# KiCad board power-module-simple-panel.kicad_pcb
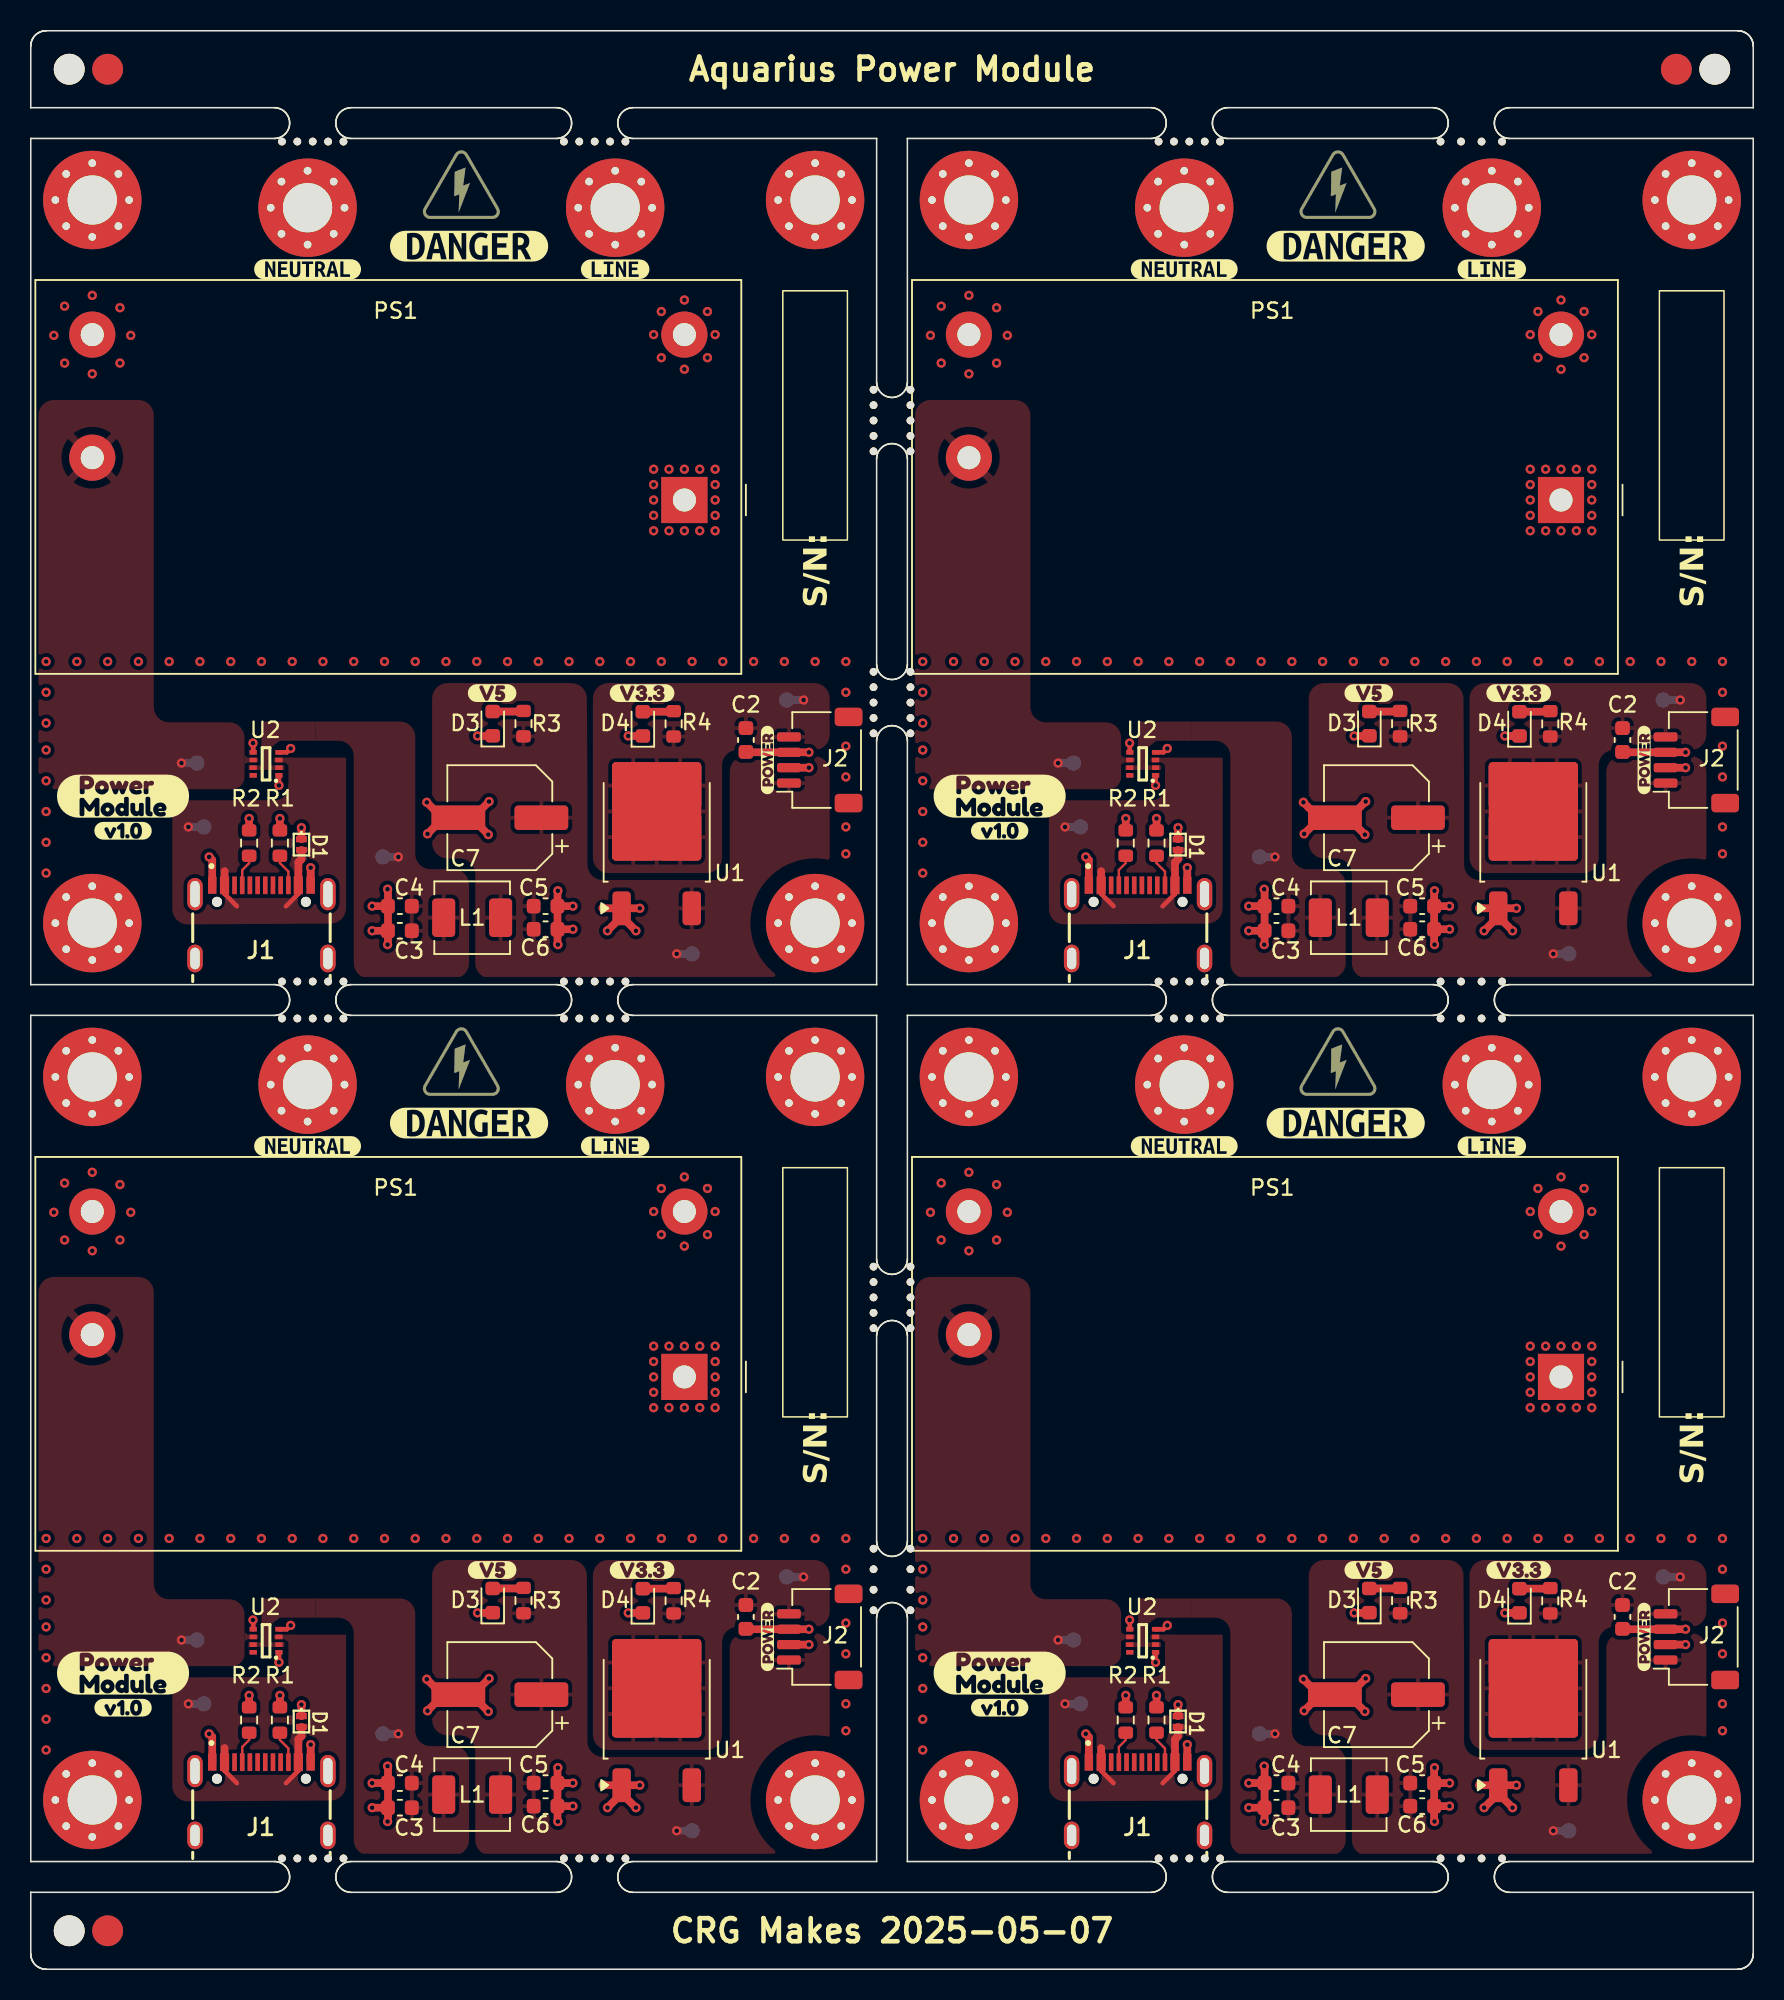
[diagram p0: board, top side]
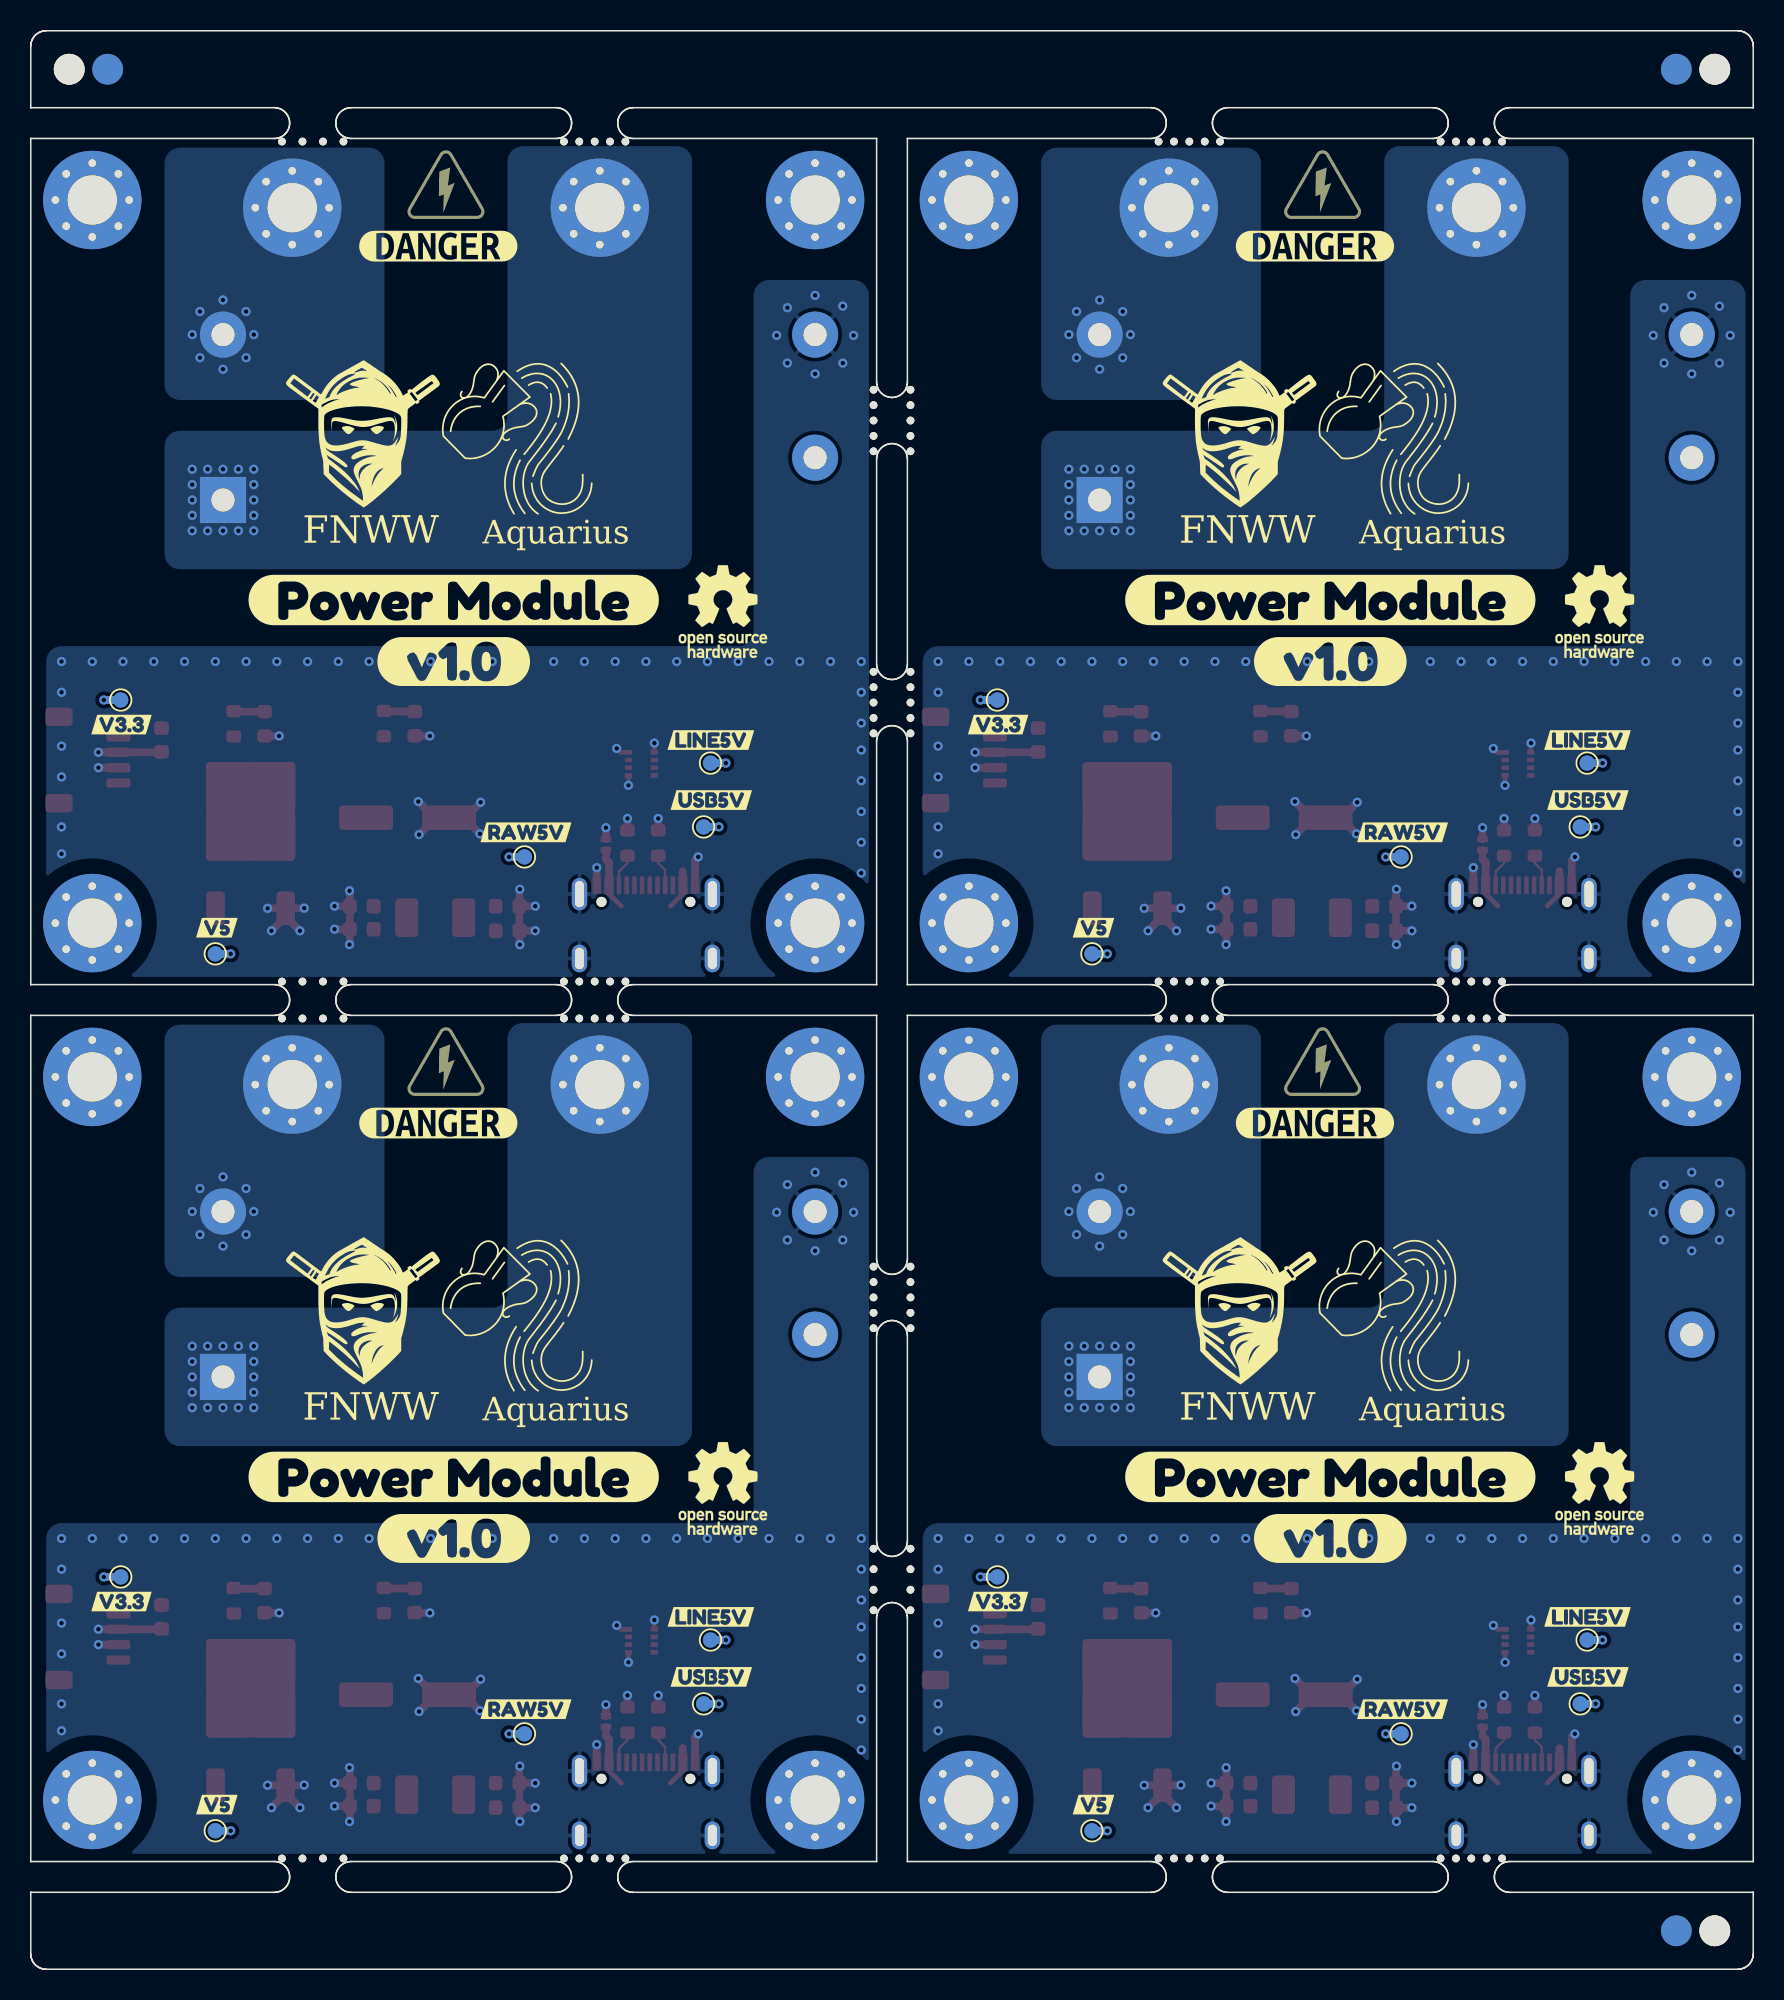
[diagram p1: board, bottom side, seen from below]

Outline 112 x 126 mm; copper layers: Top, In1.Cu, In2.Cu, Bottom. Coordinates in mm from the lower left corner of the outline.
Stack: Top 0.035mm / dielectric 0.1mm FR4 er 3.91 / In1.Cu 0.012mm / dielectric 1.24mm FR4 er 4.5 / In2.Cu 0.012mm / dielectric 0.1mm FR4 er 3.91 / Bottom 0.035mm

## Placement (name value [footprint] x y rotation side)
C2  22uF  [C_0603_1608Metric]  103.5 22.9 270 top
C2#2  22uF  [C_0603_1608Metric]  103.5 79.9 270 top
C2#3  22uF  [C_0603_1608Metric]  46.5 22.9 270 top
C2#4  22uF  [C_0603_1608Metric]  46.5 79.9 270 top
C3  10uF  [C_0603_1608Metric]  81 67.5 180 top
C3#2  10uF  [C_0603_1608Metric]  81 10.5 180 top
C3#3  10uF  [C_0603_1608Metric]  24 67.5 180 top
C3#4  10uF  [C_0603_1608Metric]  24 10.5 180 top
C4  10uF  [C_0603_1608Metric]  24 69.1 180 top
C4#2  10uF  [C_0603_1608Metric]  81 12.1 180 top
C4#3  10uF  [C_0603_1608Metric]  81 69.1 180 top
C4#4  10uF  [C_0603_1608Metric]  24 12.1 180 top
C5  10uF  [C_0603_1608Metric]  90.47 12.1 0 top
C5#2  10uF  [C_0603_1608Metric]  90.47 69.1 0 top
C5#3  10uF  [C_0603_1608Metric]  33.47 69.1 0 top
C5#4  10uF  [C_0603_1608Metric]  33.47 12.1 0 top
C6  10uF  [C_0603_1608Metric]  90.47 10.6 0 top
C6#2  10uF  [C_0603_1608Metric]  33.47 67.6 0 top
C6#3  10uF  [C_0603_1608Metric]  90.47 67.6 0 top
C6#4  10uF  [C_0603_1608Metric]  33.47 10.6 0 top
C7  100uF  [CP_Elec_6.3x7.7]  87.5 74.85 180 top
C7#2  100uF  [CP_Elec_6.3x7.7]  30.5 17.85 180 top
C7#3  100uF  [CP_Elec_6.3x7.7]  87.5 17.85 180 top
C7#4  100uF  [CP_Elec_6.3x7.7]  30.5 74.85 180 top
D1  PESD5V5C1BL  [DFN1006-2]  74.6 73.1 270 top
D1#2  PESD5V5C1BL  [DFN1006-2]  17.6 73.1 270 top
D1#3  PESD5V5C1BL  [DFN1006-2]  74.6 16.1 270 top
D1#4  PESD5V5C1BL  [DFN1006-2]  17.6 16.1 270 top
D3  Green  [LED_0603_1608Metric]  30.04 80.96 90 top
D3#2  Green  [LED_0603_1608Metric]  87.04 23.96 90 top
D3#3  Green  [LED_0603_1608Metric]  30.04 23.96 90 top
D3#4  Green  [LED_0603_1608Metric]  87.04 80.96 90 top
D4  Green  [LED_0603_1608Metric]  39.8 80.95 90 top
D4#2  Green  [LED_0603_1608Metric]  39.8 23.95 90 top
D4#3  Green  [LED_0603_1608Metric]  96.8 23.95 90 top
D4#4  Green  [LED_0603_1608Metric]  96.8 80.95 90 top
H1  MountingHole_Pad  [MountingHole_3.2mm_M3_Pad_Via]  95 114.5 0 top
H1#2  MountingHole_Pad  [MountingHole_3.2mm_M3_Pad_Via]  95 57.5 0 top
H1#3  MountingHole_Pad  [MountingHole_3.2mm_M3_Pad_Via]  38 57.5 0 top
H1#4  MountingHole_Pad  [MountingHole_3.2mm_M3_Pad_Via]  38 114.5 0 top
H2  MountingHole_Pad  [MountingHole_3.2mm_M3_Pad_Via]  18 114.5 0 top
H2#2  MountingHole_Pad  [MountingHole_3.2mm_M3_Pad_Via]  75 114.5 0 top
H2#3  MountingHole_Pad  [MountingHole_3.2mm_M3_Pad_Via]  75 57.5 0 top
H2#4  MountingHole_Pad  [MountingHole_3.2mm_M3_Pad_Via]  18 57.5 0 top
H3  MountingHole  [MountingHole_3.2mm_M3_Pad_Via]  61 11 0 top
H3#2  MountingHole  [MountingHole_3.2mm_M3_Pad_Via]  61 68 0 top
H3#3  MountingHole  [MountingHole_3.2mm_M3_Pad_Via]  4 68 0 top
H3#4  MountingHole  [MountingHole_3.2mm_M3_Pad_Via]  4 11 0 top
H4  MountingHole  [MountingHole_3.2mm_M3_Pad_Via]  108 11 0 top
H4#2  MountingHole  [MountingHole_3.2mm_M3_Pad_Via]  108 68 0 top
H4#3  MountingHole  [MountingHole_3.2mm_M3_Pad_Via]  51 68 0 top
H4#4  MountingHole  [MountingHole_3.2mm_M3_Pad_Via]  51 11 0 top
H5  MountingHole  [MountingHole_3.2mm_M3_Pad_Via]  51 58 0 top
H5#2  MountingHole  [MountingHole_3.2mm_M3_Pad_Via]  51 115 0 top
H5#3  MountingHole  [MountingHole_3.2mm_M3_Pad_Via]  108 58 0 top
H5#4  MountingHole  [MountingHole_3.2mm_M3_Pad_Via]  108 115 0 top
H6  MountingHole  [MountingHole_3.2mm_M3_Pad_Via]  4 115 0 top
H6#2  MountingHole  [MountingHole_3.2mm_M3_Pad_Via]  4 58 0 top
H6#3  MountingHole  [MountingHole_3.2mm_M3_Pad_Via]  61 58 0 top
H6#4  MountingHole  [MountingHole_3.2mm_M3_Pad_Via]  61 115 0 top
J1  USB_C_PowerOnly_6P  [GCT_USB4105-GF-A]  15 65.7 0 top
J1#2  USB_C_PowerOnly_6P  [GCT_USB4105-GF-A]  15 8.7 0 top
J1#3  USB_C_PowerOnly_6P  [GCT_USB4105-GF-A]  72 65.7 0 top
J1#4  USB_C_PowerOnly_6P  [GCT_USB4105-GF-A]  72 8.7 0 top
J2  Power  [JST_SH_SM04B-SRSS-TB_1x04-1MP_P1.00mm_Horizontal]  51.3 21.6 90 top
J2#2  Power  [JST_SH_SM04B-SRSS-TB_1x04-1MP_P1.00mm_Horizontal]  108.3 78.6 90 top
J2#3  Power  [JST_SH_SM04B-SRSS-TB_1x04-1MP_P1.00mm_Horizontal]  51.3 78.6 90 top
J2#4  Power  [JST_SH_SM04B-SRSS-TB_1x04-1MP_P1.00mm_Horizontal]  108.3 21.6 90 top
kibuzzard-67E1D06C  G***  [kibuzzard-67E1D06C]  28.5 55 0 top
kibuzzard-67E1D06C#2  G***  [kibuzzard-67E1D06C]  85.5 55 0 top
kibuzzard-67E1D06C#3  G***  [kibuzzard-67E1D06C]  28.5 112 0 top
kibuzzard-67E1D06C#4  G***  [kibuzzard-67E1D06C]  85.5 112 0 top
kibuzzard-67E1D06C#5  G***  [kibuzzard-67E1D06C]  28.5 112 180 bottom
kibuzzard-67E1D06C#6  G***  [kibuzzard-67E1D06C]  85.5 112 180 bottom
kibuzzard-67E1D06C#7  G***  [kibuzzard-67E1D06C]  85.5 55 180 bottom
kibuzzard-67E1D06C#8  G***  [kibuzzard-67E1D06C]  28.5 55 180 bottom
kibuzzard-67E31E9F  G***  [kibuzzard-67E31E9F]  6 17 0 top
kibuzzard-67E31E9F#2  G***  [kibuzzard-67E31E9F]  63 17 0 top
kibuzzard-67E31E9F#3  G***  [kibuzzard-67E31E9F]  63 74 0 top
kibuzzard-67E31E9F#4  G***  [kibuzzard-67E31E9F]  6 74 0 top
kibuzzard-67E32962  G***  [kibuzzard-67E32962]  6 19.25 0 top
kibuzzard-67E32962#2  G***  [kibuzzard-67E32962]  6 76.25 0 top
kibuzzard-67E32962#3  G***  [kibuzzard-67E32962]  63 76.25 0 top
kibuzzard-67E32962#4  G***  [kibuzzard-67E32962]  63 19.25 0 top
kibuzzard-67F86A7A  G***  [kibuzzard-67F86A7A]  87 25.95 0 top
kibuzzard-67F86A7A#2  G***  [kibuzzard-67F86A7A]  30 82.95 0 top
kibuzzard-67F86A7A#3  G***  [kibuzzard-67F86A7A]  87 82.95 0 top
kibuzzard-67F86A7A#4  G***  [kibuzzard-67F86A7A]  30 25.95 0 top
kibuzzard-67F86A71  G***  [kibuzzard-67F86A71]  96.75 25.95 0 top
kibuzzard-67F86A71#2  G***  [kibuzzard-67F86A71]  39.75 25.95 0 top
kibuzzard-67F86A71#3  G***  [kibuzzard-67F86A71]  96.75 82.95 0 top
kibuzzard-67F86A71#4  G***  [kibuzzard-67F86A71]  39.75 82.95 0 top
kibuzzard-67F465A8  G***  [kibuzzard-67F465A8]  38 110.5 0 top
kibuzzard-67F465A8#2  G***  [kibuzzard-67F465A8]  38 53.5 0 top
kibuzzard-67F465A8#3  G***  [kibuzzard-67F465A8]  95 53.5 0 top
kibuzzard-67F465A8#4  G***  [kibuzzard-67F465A8]  95 110.5 0 top
kibuzzard-67F873C9  G***  [kibuzzard-67F873C9]  84.5 89 180 bottom
kibuzzard-67F873C9#2  G***  [kibuzzard-67F873C9]  27.5 32 180 bottom
kibuzzard-67F873C9#3  G***  [kibuzzard-67F873C9]  27.5 89 180 bottom
kibuzzard-67F873C9#4  G***  [kibuzzard-67F873C9]  84.5 32 180 bottom
kibuzzard-67F873E4  G***  [kibuzzard-67F873E4]  27.5 85 180 bottom
kibuzzard-67F873E4#2  G***  [kibuzzard-67F873E4]  84.5 28 180 bottom
kibuzzard-67F873E4#3  G***  [kibuzzard-67F873E4]  27.5 28 180 bottom
kibuzzard-67F873E4#4  G***  [kibuzzard-67F873E4]  84.5 85 180 bottom
kibuzzard-681BE833  G***  [kibuzzard-681BE833]  104.9 78.6 90 top
kibuzzard-681BE833#2  G***  [kibuzzard-681BE833]  47.9 21.6 90 top
kibuzzard-681BE833#3  G***  [kibuzzard-681BE833]  104.9 21.6 90 top
kibuzzard-681BE833#4  G***  [kibuzzard-681BE833]  47.9 78.6 90 top
kibuzzard-6810421E  G***  [kibuzzard-6810421E]  67.78 79.9 180 bottom
kibuzzard-6810421E#2  G***  [kibuzzard-6810421E]  10.78 79.9 180 bottom
kibuzzard-6810421E#3  G***  [kibuzzard-6810421E]  10.78 22.9 180 bottom
kibuzzard-6810421E#4  G***  [kibuzzard-6810421E]  67.78 22.9 180 bottom
kibuzzard-6810424A  G***  [kibuzzard-6810424A]  22.8 73.9 180 bottom
kibuzzard-6810424A#2  G***  [kibuzzard-6810424A]  79.8 16.9 180 bottom
kibuzzard-6810424A#3  G***  [kibuzzard-6810424A]  22.8 16.9 180 bottom
kibuzzard-6810424A#4  G***  [kibuzzard-6810424A]  79.8 73.9 180 bottom
kibuzzard-6810427B  G***  [kibuzzard-6810427B]  49.1 23.9 180 bottom
kibuzzard-6810427B#2  G***  [kibuzzard-6810427B]  106.1 80.9 180 bottom
kibuzzard-6810427B#3  G***  [kibuzzard-6810427B]  49.1 80.9 180 bottom
kibuzzard-6810427B#4  G***  [kibuzzard-6810427B]  106.1 23.9 180 bottom
kibuzzard-68084394  G***  [kibuzzard-68084394]  75 53.5 0 top
kibuzzard-68084394#2  G***  [kibuzzard-68084394]  75 110.5 0 top
kibuzzard-68084394#3  G***  [kibuzzard-68084394]  18 53.5 0 top
kibuzzard-68084394#4  G***  [kibuzzard-68084394]  18 110.5 0 top
kibuzzard-68104254  G***  [kibuzzard-68104254]  67.75 76 180 bottom
kibuzzard-68104254#2  G***  [kibuzzard-68104254]  67.75 19 180 bottom
kibuzzard-68104254#3  G***  [kibuzzard-68104254]  10.75 19 180 bottom
kibuzzard-68104254#4  G***  [kibuzzard-68104254]  10.75 76 180 bottom
kibuzzard-68104292  G***  [kibuzzard-68104292]  42.9 10.7 180 bottom
kibuzzard-68104292#2  G***  [kibuzzard-68104292]  99.9 67.7 180 bottom
kibuzzard-68104292#3  G***  [kibuzzard-68104292]  42.9 67.7 180 bottom
kibuzzard-68104292#4  G***  [kibuzzard-68104292]  99.9 10.7 180 bottom
KiKit_FID_B_1  -  [Fiducial]  5 123.5 180 bottom
KiKit_FID_B_2  -  [Fiducial]  107 123.5 180 bottom
KiKit_FID_B_3  -  [Fiducial]  5 2.5 180 bottom
KiKit_FID_T_1  -  [Fiducial]  5 123.5 0 top
KiKit_FID_T_2  -  [Fiducial]  107 123.5 0 top
KiKit_FID_T_3  -  [Fiducial]  5 2.5 0 top
KiKit_MB_1_1  -  [NPTH]  54.8 102.67 0 top
KiKit_MB_1_2  -  [NPTH]  54.8 101.67 0 top
KiKit_MB_1_3  -  [NPTH]  54.8 100.67 0 top
KiKit_MB_1_4  -  [NPTH]  54.8 99.67 0 top
KiKit_MB_1_5  -  [NPTH]  54.8 98.67 0 top
KiKit_MB_2_1  -  [NPTH]  54.8 84.33 0 top
KiKit_MB_2_2  -  [NPTH]  54.8 83.33 0 top
KiKit_MB_2_3  -  [NPTH]  54.8 82.33 0 top
KiKit_MB_2_4  -  [NPTH]  54.8 81.33 0 top
KiKit_MB_2_5  -  [NPTH]  54.8 80.33 0 top
KiKit_MB_3_1  -  [NPTH]  16.33 118.8 0 top
KiKit_MB_3_2  -  [NPTH]  17.33 118.8 0 top
KiKit_MB_3_3  -  [NPTH]  18.33 118.8 0 top
KiKit_MB_3_4  -  [NPTH]  19.33 118.8 0 top
KiKit_MB_3_5  -  [NPTH]  20.33 118.8 0 top
KiKit_MB_4_1  -  [NPTH]  34.67 118.8 0 top
KiKit_MB_4_2  -  [NPTH]  35.67 118.8 0 top
KiKit_MB_4_3  -  [NPTH]  36.67 118.8 0 top
KiKit_MB_4_4  -  [NPTH]  37.67 118.8 0 top
KiKit_MB_4_5  -  [NPTH]  38.67 118.8 0 top
KiKit_MB_5_1  -  [NPTH]  20.33 64.2 0 top
KiKit_MB_5_2  -  [NPTH]  19.33 64.2 0 top
KiKit_MB_5_3  -  [NPTH]  18.33 64.2 0 top
KiKit_MB_5_4  -  [NPTH]  17.33 64.2 0 top
KiKit_MB_5_5  -  [NPTH]  16.33 64.2 0 top
KiKit_MB_6_1  -  [NPTH]  38.67 64.2 0 top
KiKit_MB_6_2  -  [NPTH]  37.67 64.2 0 top
KiKit_MB_6_3  -  [NPTH]  36.67 64.2 0 top
KiKit_MB_6_4  -  [NPTH]  35.67 64.2 0 top
KiKit_MB_6_5  -  [NPTH]  34.67 64.2 0 top
KiKit_MB_7_1  -  [NPTH]  57.2 98.67 0 top
KiKit_MB_7_2  -  [NPTH]  57.2 99.67 0 top
KiKit_MB_7_3  -  [NPTH]  57.2 100.67 0 top
KiKit_MB_7_4  -  [NPTH]  57.2 101.67 0 top
KiKit_MB_7_5  -  [NPTH]  57.2 102.67 0 top
KiKit_MB_8_1  -  [NPTH]  57.2 80.33 0 top
KiKit_MB_8_2  -  [NPTH]  57.2 81.33 0 top
KiKit_MB_8_3  -  [NPTH]  57.2 82.33 0 top
KiKit_MB_8_4  -  [NPTH]  57.2 83.33 0 top
KiKit_MB_8_5  -  [NPTH]  57.2 84.33 0 top
KiKit_MB_9_1  -  [NPTH]  73.33 118.8 0 top
KiKit_MB_9_2  -  [NPTH]  74.33 118.8 0 top
KiKit_MB_9_3  -  [NPTH]  75.33 118.8 0 top
KiKit_MB_9_4  -  [NPTH]  76.33 118.8 0 top
KiKit_MB_9_5  -  [NPTH]  77.33 118.8 0 top
KiKit_MB_10_1  -  [NPTH]  91.67 118.8 0 top
KiKit_MB_10_2  -  [NPTH]  93 118.8 0 top
KiKit_MB_10_3  -  [NPTH]  94.33 118.8 0 top
KiKit_MB_10_4  -  [NPTH]  95.67 118.8 0 top
KiKit_MB_11_1  -  [NPTH]  77.33 64.2 0 top
KiKit_MB_11_2  -  [NPTH]  76.33 64.2 0 top
KiKit_MB_11_3  -  [NPTH]  75.33 64.2 0 top
KiKit_MB_11_4  -  [NPTH]  74.33 64.2 0 top
KiKit_MB_11_5  -  [NPTH]  73.33 64.2 0 top
KiKit_MB_12_1  -  [NPTH]  95.67 64.2 0 top
KiKit_MB_12_2  -  [NPTH]  94.33 64.2 0 top
KiKit_MB_12_3  -  [NPTH]  93 64.2 0 top
KiKit_MB_12_4  -  [NPTH]  91.67 64.2 0 top
KiKit_MB_13_1  -  [NPTH]  54.8 45.67 0 top
KiKit_MB_13_2  -  [NPTH]  54.8 44.67 0 top
KiKit_MB_13_3  -  [NPTH]  54.8 43.67 0 top
KiKit_MB_13_4  -  [NPTH]  54.8 42.67 0 top
KiKit_MB_13_5  -  [NPTH]  54.8 41.67 0 top
KiKit_MB_14_1  -  [NPTH]  54.8 27.33 0 top
KiKit_MB_14_2  -  [NPTH]  54.8 26 0 top
KiKit_MB_14_3  -  [NPTH]  54.8 24.67 0 top
KiKit_MB_14_4  -  [NPTH]  54.8 23.33 0 top
KiKit_MB_15_1  -  [NPTH]  16.33 61.8 0 top
KiKit_MB_15_2  -  [NPTH]  17.33 61.8 0 top
KiKit_MB_15_3  -  [NPTH]  18.33 61.8 0 top
KiKit_MB_15_4  -  [NPTH]  19.33 61.8 0 top
KiKit_MB_15_5  -  [NPTH]  20.33 61.8 0 top
KiKit_MB_16_1  -  [NPTH]  34.67 61.8 0 top
KiKit_MB_16_2  -  [NPTH]  35.67 61.8 0 top
KiKit_MB_16_3  -  [NPTH]  36.67 61.8 0 top
KiKit_MB_16_4  -  [NPTH]  37.67 61.8 0 top
KiKit_MB_16_5  -  [NPTH]  38.67 61.8 0 top
KiKit_MB_17_1  -  [NPTH]  20.33 7.2 0 top
KiKit_MB_17_2  -  [NPTH]  19.33 7.2 0 top
KiKit_MB_17_3  -  [NPTH]  18.33 7.2 0 top
KiKit_MB_17_4  -  [NPTH]  17.33 7.2 0 top
KiKit_MB_17_5  -  [NPTH]  16.33 7.2 0 top
KiKit_MB_18_1  -  [NPTH]  38.67 7.2 0 top
KiKit_MB_18_2  -  [NPTH]  37.67 7.2 0 top
KiKit_MB_18_3  -  [NPTH]  36.67 7.2 0 top
KiKit_MB_18_4  -  [NPTH]  35.67 7.2 0 top
KiKit_MB_18_5  -  [NPTH]  34.67 7.2 0 top
KiKit_MB_19_1  -  [NPTH]  57.2 41.67 0 top
KiKit_MB_19_2  -  [NPTH]  57.2 42.67 0 top
KiKit_MB_19_3  -  [NPTH]  57.2 43.67 0 top
KiKit_MB_19_4  -  [NPTH]  57.2 44.67 0 top
KiKit_MB_19_5  -  [NPTH]  57.2 45.67 0 top
KiKit_MB_20_1  -  [NPTH]  57.2 23.33 0 top
KiKit_MB_20_2  -  [NPTH]  57.2 24.67 0 top
KiKit_MB_20_3  -  [NPTH]  57.2 26 0 top
KiKit_MB_20_4  -  [NPTH]  57.2 27.33 0 top
KiKit_MB_21_1  -  [NPTH]  73.33 61.8 0 top
KiKit_MB_21_2  -  [NPTH]  74.33 61.8 0 top
KiKit_MB_21_3  -  [NPTH]  75.33 61.8 0 top
KiKit_MB_21_4  -  [NPTH]  76.33 61.8 0 top
KiKit_MB_21_5  -  [NPTH]  77.33 61.8 0 top
KiKit_MB_22_1  -  [NPTH]  91.67 61.8 0 top
KiKit_MB_22_2  -  [NPTH]  93 61.8 0 top
KiKit_MB_22_3  -  [NPTH]  94.33 61.8 0 top
KiKit_MB_22_4  -  [NPTH]  95.67 61.8 0 top
KiKit_MB_23_1  -  [NPTH]  77.33 7.2 0 top
KiKit_MB_23_2  -  [NPTH]  76.33 7.2 0 top
KiKit_MB_23_3  -  [NPTH]  75.33 7.2 0 top
KiKit_MB_23_4  -  [NPTH]  74.33 7.2 0 top
KiKit_MB_23_5  -  [NPTH]  73.33 7.2 0 top
KiKit_MB_24_1  -  [NPTH]  95.67 7.2 0 top
KiKit_MB_24_2  -  [NPTH]  94.33 7.2 0 top
KiKit_MB_24_3  -  [NPTH]  93 7.2 0 top
KiKit_MB_24_4  -  [NPTH]  91.67 7.2 0 top
KiKit_TO_1  -  [NPTH#2]  2.5 123.5 0 top
KiKit_TO_2  -  [NPTH#2]  109.5 123.5 0 top
KiKit_TO_3  -  [NPTH#2]  2.5 2.5 0 top
L1  2.2u  [L_Sunlord_MWSA0402S]  28.7 68.35 0 top
L1#2  2.2u  [L_Sunlord_MWSA0402S]  85.7 11.35 0 top
L1#3  2.2u  [L_Sunlord_MWSA0402S]  28.7 11.35 0 top
L1#4  2.2u  [L_Sunlord_MWSA0402S]  85.7 68.35 0 top
LOGO1  ~  [FNWW Face 10mm]  90.35 94.76 180 bottom